# KiCad board Dashboard.kicad_pcb (continued)
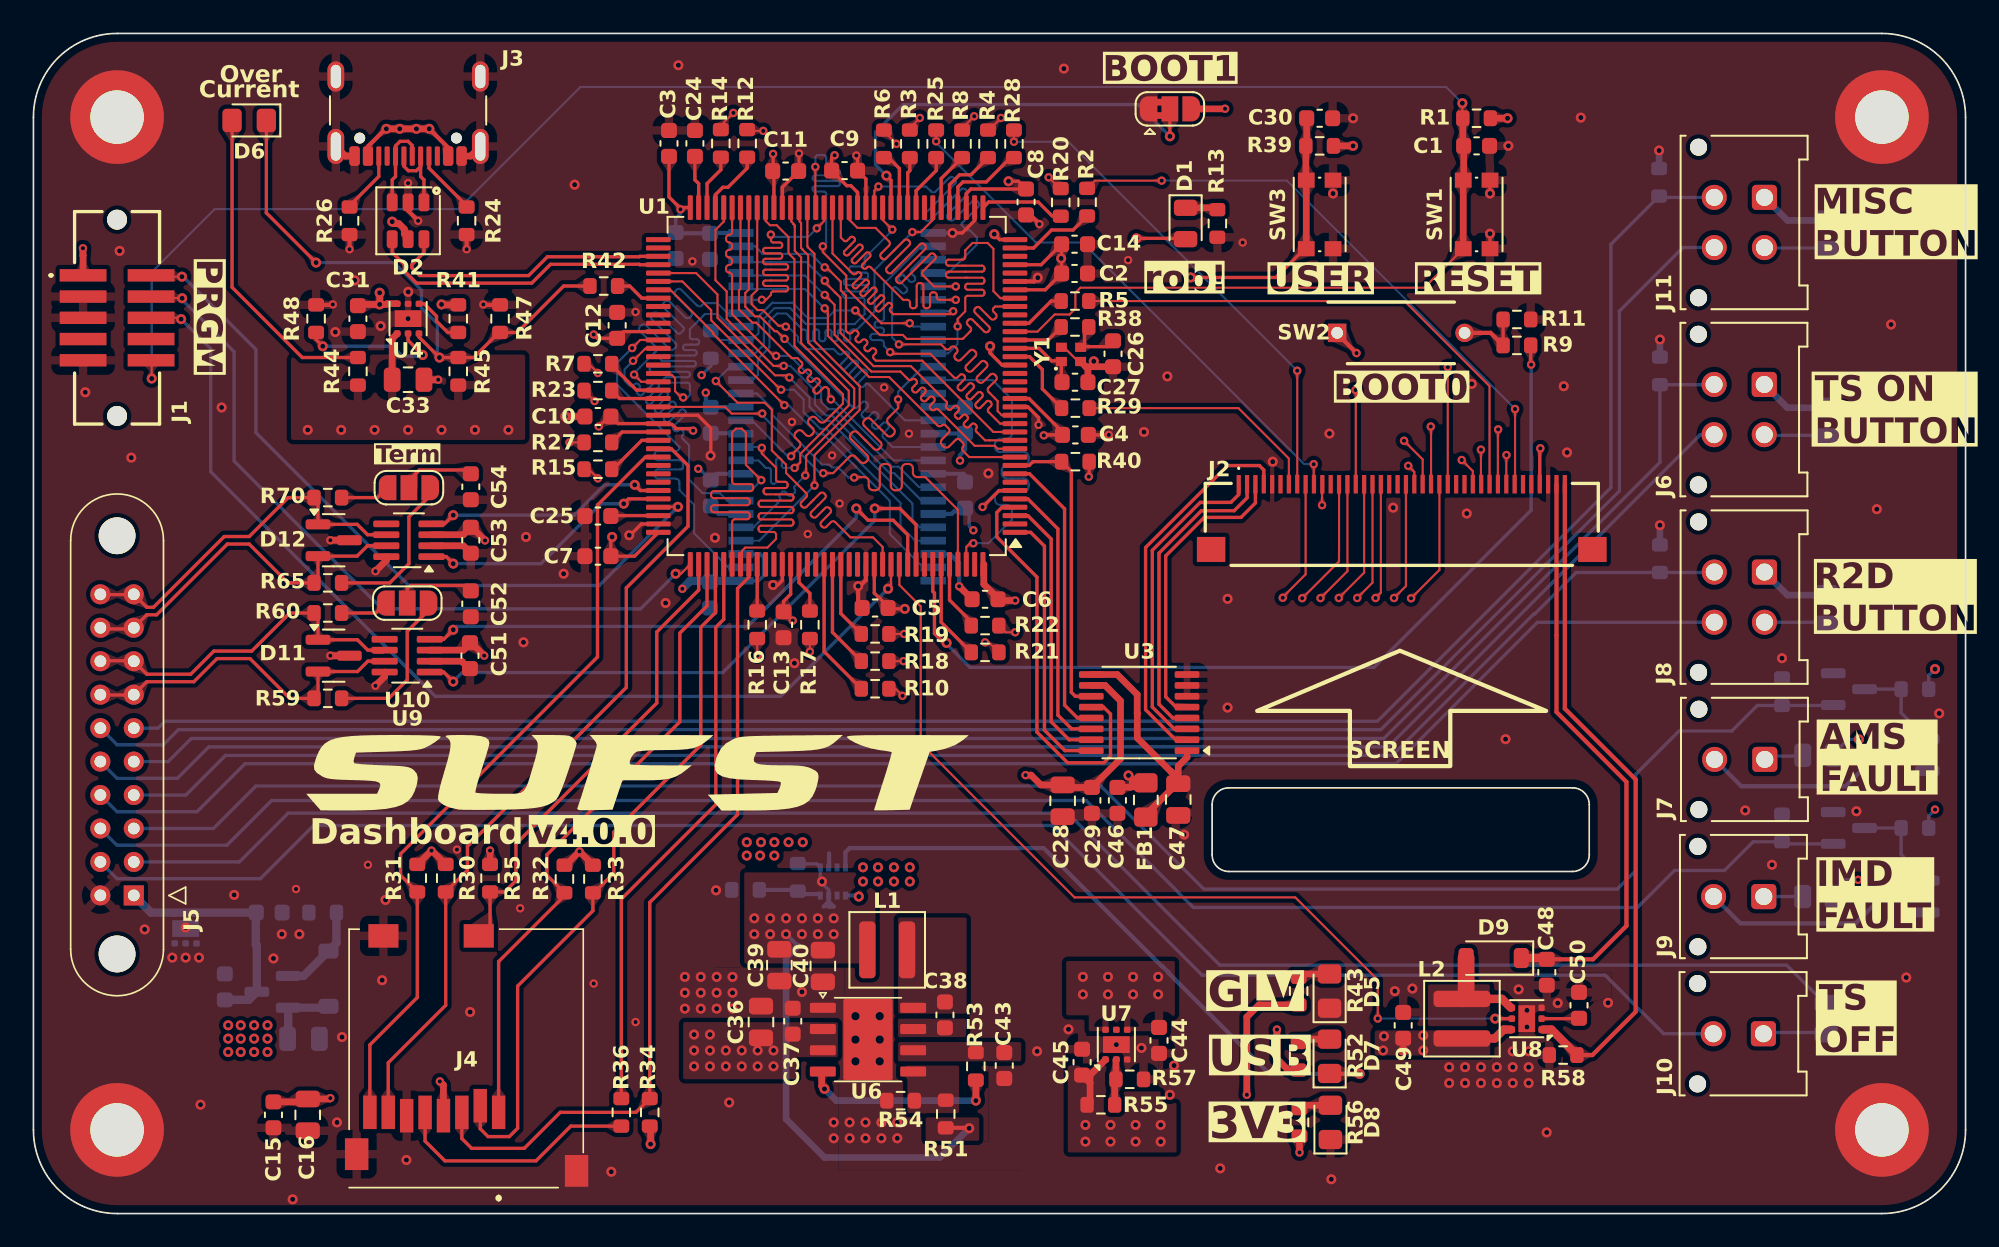
[diagram p0: board, top side]
## Routing (per net, layer and track width the routed paths; a pad name or vN(x,y) marks a point on that pad's centre or on a via; arc(x,y) is an arc through that point) (continued)
/MCU/RAM_A2: length 24.5
  Top w0.125: U1.12 56.9,46.22 56.37,46.75 arc(56.33,46.84) 56.37,46.94 arc(56.41,47.03) 56.37,47.12 56.29,47.2 arc(56.2,47.24) 56.11,47.2 55.92,47.02 arc(55.83,46.98) 55.74,47.02 55.66,47.09 arc(55.62,47.19) 55.66,47.28 55.84,47.47 arc(55.88,47.56) 55.84,47.65 55.77,47.73 arc(55.67,47.77) 55.58,47.73 55.39,47.55 arc(55.3,47.51) 55.21,47.55 55.13,47.62 arc(55.09,47.72) 55.13,47.81 55.31,48 arc(55.35,48.09) 55.31,48.18 55.24,48.26 arc(55.14,48.3) 55.05,48.26 54.86,48.08 arc(54.77,48.04) 54.68,48.08 54.59,48.17 arc(54.55,48.26) 54.59,48.35 arc(54.63,48.45) 54.59,48.54 52.46,50.66 50.24,50.66 48.25,52.65 48.25,54.75 47.95,55.05 47.95,55.05 47.31,55.69 v2(47.31,55.77)
  Bottom w0.125: U2.25 42.45,56.87 46.22,56.87 47.31,55.79 v2(47.31,55.77)
/MCU/RAM_A3: length 24.5
  Top w0.125: U1.13 57.4,46.72 53.14,50.99 50.37,50.99 50.25,51.11 arc(50.2,51.22) 50.25,51.32 50.35,51.43 arc(50.4,51.54) 50.35,51.64 50.3,51.69 arc(50.19,51.74) 50.09,51.69 49.98,51.59 arc(49.88,51.54) 49.77,51.59 49.72,51.64 arc(49.67,51.75) 49.72,51.85 49.82,51.96 arc(49.87,52.07) 49.82,52.17 49.77,52.23 arc(49.66,52.27) 49.56,52.23 49.45,52.12 arc(49.35,52.07) 49.24,52.12 49.19,52.17 arc(49.14,52.28) 49.19,52.38 49.29,52.49 arc(49.34,52.6) 49.29,52.7 49.24,52.76 arc(49.13,52.8) 49.03,52.76 48.92,52.65 arc(48.82,52.61) 48.71,52.65 48.58,52.78 48.58,54.89 48.27,55.19 48.27,55.71 47.41,56.57 v2(47.31,56.57)
  Bottom w0.125: U2.26 43.15,57.82 43.6,57.37 46.47,57.37 47.28,56.57 v2(47.31,56.57)
/MCU/RAM_A4: length 24.5
  Top w0.125: U1.14 57.8,47.22 57.11,47.92 arc(57.06,48.03) 57.11,48.13 57.25,48.28 arc(57.3,48.39) 57.25,48.49 57.2,48.55 arc(57.1,48.59) 56.99,48.55 56.62,48.18 arc(56.52,48.13) 56.41,48.18 56.36,48.23 arc(56.31,48.34) 56.36,48.44 56.72,48.81 arc(56.77,48.92) 56.72,49.02 56.67,49.08 arc(56.56,49.12) 56.46,49.08 56.09,48.71 arc(55.99,48.66) 55.88,48.71 55.83,48.76 arc(55.78,48.87) 55.83,48.97 56.19,49.34 arc(56.24,49.45) 56.19,49.55 56.14,49.61 arc(56.03,49.65) 55.93,49.61 55.56,49.24 arc(55.45,49.19) 55.35,49.24 55.3,49.29 arc(55.25,49.4) 55.3,49.5 55.66,49.87 arc(55.71,49.98) 55.66,50.08 55.61,50.14 arc(55.5,50.18) 55.4,50.14 55.25,49.99 arc(55.14,49.94) 55.04,49.99 53.63,51.4 51.32,51.4 v2(51.22,51.5)
  Bottom w0.125: U2.29 53.09,57.82 50.85,55.59 50.85,53.49 arc(50.81,53.38) 50.7,53.34 50.44,53.34 arc(50.34,53.3) 50.29,53.19 50.29,53.11 arc(50.34,53.01) 50.44,52.96 50.7,52.96 arc(50.81,52.92) 50.85,52.81 50.85,52.74 arc(50.81,52.63) 50.7,52.59 50.19,52.59 arc(50.09,52.55) 50.04,52.44 50.04,52.36 arc(50.09,52.26) 50.19,52.21 50.7,52.21 arc(50.81,52.17) 50.85,52.06 50.85,51.87 v2(51.22,51.5)
/MCU/RAM_A5: length 24.8
  Top w0.125: v2(51.75,51.96) 54.26,51.96 54.52,51.71 arc(54.65,51.65) 54.78,51.71 54.87,51.79 arc(55,51.85) 55.13,51.79 55.2,51.72 arc(55.26,51.59) 55.2,51.46 55.12,51.37 arc(55.06,51.24) 55.12,51.11 55.18,51.04 arc(55.32,50.99) 55.45,51.04 55.99,51.58 arc(56.12,51.64) 56.26,51.58 56.32,51.52 arc(56.38,51.39) 56.32,51.25 55.78,50.71 arc(55.73,50.58) 55.78,50.44 55.85,50.38 arc(55.98,50.32) 56.11,50.38 56.66,50.92 arc(56.79,50.98) 56.92,50.92 56.99,50.85 arc(57.04,50.72) 56.99,50.59 56.45,50.04 arc(56.39,49.91) 56.45,49.78 56.51,49.71 arc(56.65,49.66) 56.78,49.71 57.22,50.15 arc(57.35,50.2) 57.48,50.15 57.55,50.08 arc(57.6,49.95) 57.55,49.82 57.11,49.38 arc(57.06,49.25) 57.11,49.11 57.65,48.57 57.65,47.97 57.9,47.72 U1.15 58.5,47.72 58.41,47.81
  Bottom w0.125: U2.30 53.09,57.02 52.5,56.43 arc(52.45,56.32) 52.5,56.2 52.68,56.02 arc(52.73,55.9) 52.68,55.79 52.62,55.73 arc(52.51,55.68) 52.39,55.73 52.02,56.1 arc(51.95,56.13) 51.88,56.1 51.73,55.95 arc(51.7,55.88) 51.73,55.81 52.2,55.35 arc(52.24,55.23) 52.2,55.11 52.14,55.06 arc(52.02,55.01) 51.91,55.06 51.63,55.33 arc(51.51,55.38) 51.4,55.33 51.35,55.28 51.35,52.36 v2(51.75,51.96)
/MCU/RAM_A6: length 24.5
  Top w0.125: v2(50.52,61.4) 50.28,61.15 U1.50
  Bottom w0.125: U2.31 54.7,56.22 56.4,57.92 56.4,58.37 55.99,58.79 arc(55.94,58.81) 55.9,58.79 arc(55.85,58.77) 55.81,58.79 55.5,59.1 arc(55.48,59.14) 55.5,59.19 56.49,60.18 arc(56.55,60.32) 56.49,60.46 56.42,60.53 arc(56.28,60.58) 56.14,60.53 55.03,59.41 arc(54.89,59.35) 54.75,59.41 54.68,59.48 arc(54.62,59.62) 54.68,59.76 55.8,60.87 arc(55.85,61.01) 55.8,61.15 55.73,61.22 arc(55.59,61.28) 55.45,61.22 53.63,59.4 arc(53.49,59.34) 53.35,59.4 53.28,59.46 arc(53.22,59.6) 53.28,59.74 55.1,61.57 arc(55.16,61.71) 55.1,61.84 55.03,61.91 arc(54.9,61.97) 54.76,61.91 53.95,61.1 arc(53.81,61.05) 53.67,61.1 53.38,61.4 v2(50.52,61.4)
/MCU/RAM_A7: length 23.8
  Top w0.125: U1.53 48.78,59.42 49.27,58.92 50.35,58.92 51.16,58.11 arc(51.21,57.99) 51.16,57.87 50.68,57.39 arc(50.63,57.27) 50.68,57.15 50.74,57.09 arc(50.86,57.05) 50.98,57.09 52.07,58.19 arc(52.19,58.24) 52.31,58.19 52.37,58.13 arc(52.42,58.01) 52.37,57.9 51.03,56.55 arc(50.98,56.43) 51.03,56.31 51.08,56.25 arc(51.2,56.2) 51.32,56.25 53.02,57.95 arc(53.14,58) 53.26,57.95 53.32,57.89 arc(53.37,57.77) 53.32,57.66 51.62,55.96 arc(51.57,55.84) 51.62,55.72 51.68,55.66 arc(51.8,55.61) 51.92,55.66 53.62,57.36 arc(53.73,57.41) 53.85,57.36 53.91,57.3 arc(53.96,57.18) 53.91,57.06 53.18,56.33 arc(53.13,56.21) 53.18,56.09 53.85,55.42 55.15,55.42
  Top w0.2: 55.15,55.42 v2(55.15,55.42)
  Bottom w0.125: U2.32 55.15,55.42
  Bottom w0.2: 55.15,55.42 v2(55.15,55.42)
/MCU/RAM_A8: length 21.2
  Top w0.125: v2(55.15,54.62) 54.17,54.62 arc(54.06,54.67) 54.01,54.78 54.01,54.91 arc(53.96,55.03) 53.85,55.07 53.77,55.07 arc(53.66,55.03) 53.61,54.91 53.61,54.28 arc(53.56,54.17) 53.45,54.12 53.37,54.12 arc(53.26,54.17) 53.21,54.28 53.21,55.46 arc(53.16,55.58) 53.05,55.62 52.97,55.62 arc(52.86,55.58) 52.81,55.46 52.81,54.28 arc(52.76,54.17) 52.65,54.12 52.57,54.12 arc(52.46,54.17) 52.41,54.28 52.41,54.46 arc(52.36,54.58) 52.25,54.62 52,54.62 50.05,56.58 arc(49.96,56.61) 49.86,56.58 49.8,56.51 arc(49.71,56.48) 49.62,56.51 49.57,56.56 arc(49.53,56.65) 49.57,56.75 50.02,57.2 arc(50.06,57.29) 50.02,57.38 49.97,57.43 arc(49.88,57.47) 49.78,57.43 49.19,56.84 arc(49.1,56.8) 49.01,56.84 48.96,56.89 arc(48.92,56.98) 48.96,57.07 49.55,57.66 arc(49.59,57.76) 49.55,57.85 49.5,57.9 arc(49.41,57.94) 49.32,57.9 48.73,57.31 arc(48.63,57.27) 48.54,57.31 48.49,57.35 arc(48.45,57.45) 48.49,57.54 49.08,58.13 arc(49.12,58.22) 49.08,58.32 49.04,58.36 arc(48.94,58.4) 48.85,58.36 48.65,58.16 arc(48.56,58.12) 48.46,58.16 48.28,58.35 U1.54
  Bottom w0.125: v2(55.15,54.62) 53.8,54.62
  Bottom w0.2: 53.8,54.62 U2.33
/MCU/RAM_A9: length 19.6
  Top w0.125: v2(54.99,53.94) 54.82,53.77 51.41,53.77 51.24,53.94 arc(51.2,54.03) 51.24,54.12 51.3,54.18 arc(51.34,54.27) 51.3,54.37 51.26,54.41 arc(51.17,54.45) 51.07,54.41 50.62,53.96 arc(50.53,53.92) 50.44,53.96 50.39,54.01 arc(50.35,54.1) 50.39,54.19 50.84,54.64 arc(50.88,54.73) 50.84,54.83 50.8,54.87 arc(50.71,54.91) 50.61,54.87 50.16,54.42 arc(50.07,54.38) 49.98,54.42 49.93,54.47 arc(49.89,54.56) 49.93,54.65 50.38,55.1 arc(50.42,55.19) 50.38,55.29 50.34,55.33 arc(50.25,55.37) 50.15,55.33 49.7,54.88 arc(49.61,54.84) 49.52,54.88 49.47,54.93 arc(49.43,55.02) 49.47,55.11 49.92,55.56 arc(49.96,55.65) 49.92,55.75 49.88,55.79 arc(49.79,55.83) 49.69,55.79 49.24,55.34 arc(49.15,55.3) 49.06,55.34 49.01,55.38 arc(48.97,55.48) 49.01,55.57 49.46,56.02 arc(49.5,56.11) 49.46,56.21 49.42,56.25 arc(49.33,56.29) 49.23,56.25 49.17,56.19 arc(49.08,56.15) 48.99,56.19 47.78,57.4 U1.55
  Bottom w0.125: U2.34 53.92,53.94 v2(54.99,53.94)
/MCU/RAM_A10: length 21.4
  Top w0.125: v2(44.09,58.52) 44.1,58.51 44.1,58.18 arc(44.14,58.09) 44.23,58.05 44.64,58.05 arc(44.73,58.02) 44.77,57.92 44.77,57.86 arc(44.73,57.77) 44.64,57.73 43.76,57.73 arc(43.67,57.69) 43.63,57.6 43.63,57.53 arc(43.67,57.44) 43.76,57.4 44.64,57.4 arc(44.73,57.37) 44.77,57.27 44.77,57.21 arc(44.73,57.12) 44.64,57.08 43.76,57.08 arc(43.67,57.04) 43.63,56.95 43.63,56.88 arc(43.67,56.79) 43.76,56.75 44.99,56.75 arc(45.08,56.72) 45.12,56.62 45.12,56.56 arc(45.08,56.47) 44.99,56.43 43.76,56.43 arc(43.67,56.39) 43.63,56.3 43.63,56.23 arc(43.67,56.14) 43.76,56.1 44.99,56.1 arc(45.08,56.07) 45.12,55.97 45.12,55.91 arc(45.08,55.82) 44.99,55.78 43.76,55.78 arc(43.67,55.74) 43.63,55.65 43.63,55.58 arc(43.67,55.49) 43.76,55.45 44.99,55.45 arc(45.08,55.42) 45.12,55.32 45.12,55.26 arc(45.08,55.17) 44.99,55.13 44.23,55.13 arc(44.14,55.09) 44.1,55 44.1,54.92 43.8,54.62 v2(43.55,54.62) ; U1.56 47.28,59.34 v2(46.84,58.9)
  Bottom w0.125: v2(43.55,54.62) U2.22 42.35,54.67 ; v2(46.84,58.9) 46.32,58.39 44.23,58.39 v2(44.09,58.52)
/MCU/RAM_A11: length 24.5
  Top w0.125: v2(46.75,62.57) 46.75,60.16 U1.57 46.74,60.1 ; v2(47.2,57.82) 47.2,57.47 48.6,56.07 48.6,55.32 50.7,53.23 v2(52.39,53.23)
  Bottom w0.125: v2(52.39,53.23) 52.59,53.02 U2.35 ; v2(46.75,62.57) 46.75,63.17 46.85,63.27 47.3,63.27 47.4,63.17 47.4,62.52 arc(47.44,62.43) 47.53,62.39 48.09,62.39 arc(48.18,62.36) 48.22,62.26 48.22,62.2 arc(48.18,62.11) 48.09,62.07 46.72,62.07 arc(46.62,62.03) 46.59,61.94 46.59,61.87 arc(46.62,61.78) 46.72,61.74 48.09,61.74 arc(48.18,61.71) 48.22,61.61 48.22,61.55 arc(48.18,61.46) 48.09,61.42 46.72,61.42 arc(46.62,61.38) 46.59,61.29 46.59,61.22 arc(46.62,61.13) 46.72,61.09 47.27,61.09 arc(47.36,61.06) 47.4,60.96 47.4,58.03 v2(47.2,57.82)
  Bottom w0.2: 52.39,53.18 v2(52.39,53.23)
/MCU/RAM_BA0: length 24.6
  Top w0.125: v2(38.85,48.79) 38.74,48.79 38.36,49.16 38.36,49.94 38.17,50.14 37.4,50.14 37.4,50.26 U1.89
  Bottom w0.125: U2.20 41.65,53.02 40.9,53.77 40.15,53.77 39.98,53.61 39.98,53.6 39.65,53.27 39.64,53.27 39.25,52.88 39.25,52.4 arc(39.29,52.31) 39.38,52.27 39.67,52.27 arc(39.76,52.23) 39.8,52.14 39.8,52.07 arc(39.76,51.98) 39.67,51.94 38.98,51.94 arc(38.89,51.91) 38.85,51.81 38.85,51.75 arc(38.89,51.66) 38.98,51.62 39.52,51.62 arc(39.61,51.58) 39.65,51.49 39.65,51.42 arc(39.61,51.33) 39.52,51.29 37.63,51.29 arc(37.54,51.26) 37.5,51.16 37.5,51.1 arc(37.54,51.01) 37.63,50.97 39.47,50.97 arc(39.56,50.93) 39.6,50.84 39.6,50.77 arc(39.56,50.68) 39.47,50.64 36.98,50.64 arc(36.89,50.61) 36.85,50.52 36.85,50.45 arc(36.89,50.36) 36.98,50.32 39.12,50.32 arc(39.21,50.28) 39.25,50.19 39.25,50.12 arc(39.21,50.03) 39.12,49.99 37.83,49.99 arc(37.74,49.96) 37.7,49.86 37.7,49.8 arc(37.74,49.71) 37.83,49.67 39.12,49.67 arc(39.21,49.63) 39.25,49.54 39.25,48.92 39.11,48.79 v2(38.85,48.79)
/MCU/RAM_BA1: length 24.5
  Top w0.125: U1.90 36.34,49.72 v2(35.91,50.15)
  Bottom w0.125: v2(35.91,50.15) 35.91,50.24 37.2,51.53 arc(37.26,51.67) 37.2,51.81 36.27,52.75 arc(36.21,52.89) 36.27,53.03 36.34,53.1 arc(36.48,53.16) 36.62,53.1 38.04,51.69 arc(38.18,51.63) 38.32,51.69 38.39,51.76 arc(38.45,51.9) 38.39,52.04 36.98,53.46 arc(36.92,53.6) 36.98,53.74 37.05,53.81 arc(37.19,53.87) 37.33,53.81 38.5,52.64 arc(38.6,52.6) 38.69,52.64 38.86,52.8 arc(38.9,52.89) 38.86,52.99 37.68,54.16 arc(37.62,54.31) 37.68,54.45 37.75,54.52 arc(37.89,54.58) 38.04,54.52 38.97,53.58 arc(39.11,53.52) 39.26,53.58 39.33,53.65 arc(39.38,53.79) 39.33,53.93 38.39,54.87 arc(38.33,55.01) 38.39,55.15 38.46,55.22 arc(38.6,55.28) 38.74,55.22 39.68,54.29 arc(39.82,54.23) 39.96,54.29 40.1,54.42 40.9,54.42 41.5,53.82 U2.21
/MCU/RAM_CAS: length 24.6
  Top w0.125: 50.69,38.81 U1.132 50.78,39.85 50.2,40.42 48.85,40.42 47.93,41.34 arc(47.81,41.39) 47.69,41.34 47.4,41.05 arc(47.28,41) 47.17,41.05 47.11,41.11 arc(47.06,41.23) 47.11,41.35 47.64,41.89 arc(47.69,42) 47.64,42.12 47.58,42.18 arc(47.46,42.23) 47.35,42.18 46.81,41.65 arc(46.69,41.6) 46.57,41.65 46.51,41.71 arc(46.46,41.83) 46.51,41.94 47.33,42.76 arc(47.38,42.88) 47.33,43 47.27,43.06 arc(47.15,43.11) 47.03,43.06 46.22,42.24 arc(46.1,42.19) 45.98,42.24 45.92,42.3 arc(45.87,42.42) 45.92,42.54 46.21,42.83 arc(46.26,42.95) 46.21,43.07 45,44.27 45,44.77 44.15,45.62 44.15,48.05 43.73,48.47 42.1,48.47 v2(40.8,49.77)
  Bottom w0.125: v2(40.8,49.77) 41.65,50.62 U2.17
/MCU/RAM_CKE: length 24.5
  Top w0.125: v2(55.26,53.04) 55.26,53.49 55.71,53.94 55.71,54.72 arc(55.76,54.83) 55.86,54.87 56.72,54.87 arc(56.82,54.91) 56.86,55.01 56.86,55.08 arc(56.82,55.19) 56.72,55.23 55.86,55.23 arc(55.76,55.27) 55.71,55.37 55.71,55.44 arc(55.76,55.55) 55.86,55.59 56.72,55.59 arc(56.82,55.63) 56.86,55.73 56.86,55.8 arc(56.82,55.91) 56.72,55.95 54.71,55.95 arc(54.61,55.99) 54.57,56.09 54.57,56.16 arc(54.61,56.27) 54.71,56.31 56.72,56.31 arc(56.82,56.35) 56.86,56.45 56.86,56.52 arc(56.82,56.63) 56.72,56.67 54.71,56.67 arc(54.61,56.71) 54.57,56.81 54.57,56.88 arc(54.61,56.99) 54.71,57.03 55.57,57.03 arc(55.67,57.07) 55.71,57.17 55.71,57.59 56.15,58.02 57.05,58.02 57.4,57.67 57.4,55.14 57.82,54.72 U1.29
  Top w0.2: U1.29 58.4,54.72 58.35,54.68
  Bottom w0.125: U2.37 54.7,51.42 55.25,51.97 55.25,53.02 v2(55.26,53.04)
/MCU/RAM_CLK: length 29.3
  Top w0.125: v2(47.22,44.26) 47.81,44.26 48.81,45.26 arc(48.97,45.33) 49.13,45.26 49.46,44.93 arc(49.62,44.87) 49.77,44.93 49.85,45.01 arc(49.92,45.17) 49.85,45.33 48.88,46.3 arc(48.81,46.46) 48.88,46.62 48.96,46.7 arc(49.12,46.76) 49.27,46.7 50.25,45.72 arc(50.41,45.66) 50.57,45.72 50.65,45.8 arc(50.71,45.96) 50.65,46.12 49.67,47.09 arc(49.6,47.25) 49.67,47.41 49.75,47.49 arc(49.91,47.56) 50.07,47.49 51.04,46.51 arc(51.2,46.45) 51.36,46.51 51.44,46.59 arc(51.5,46.75) 51.44,46.91 51.11,47.24 arc(51.04,47.4) 51.11,47.56 51.7,48.15 51.7,48.67 v2(51.7,48.67) ; U1.93 41.35,48.22 41.75,47.82 43.57,47.82
  Bottom w0.125: v2(43.58,47.83) 43.58,47.72 47.03,44.26 v2(47.22,44.26) ; U2.38 53.2,50.62 51.7,49.12 v2(51.7,48.67)
/MCU/RAM_CS/NE: length 26.5
  Top w0.125: U1.28 57.5,54.22 57.41,54.14 arc(57.36,54.02) 57.41,53.91 57.54,53.78 arc(57.59,53.66) 57.54,53.54 57.48,53.49 arc(57.37,53.44) 57.25,53.49 56.58,54.15 arc(56.47,54.2) 56.35,54.15 56.29,54.1 arc(56.25,53.98) 56.29,53.86 57.14,53.02 arc(57.19,52.9) 57.14,52.79 57.08,52.73 arc(56.97,52.68) 56.85,52.73 56.15,53.43 arc(56.03,53.48) 55.91,53.43 55.86,53.37 arc(55.81,53.26) 55.86,53.14 56.02,52.98 arc(56.07,52.86) 56.02,52.75 55.56,52.29 52.22,52.29 51.98,52.53 51.06,52.53 51.07,52.52 50.61,52.52 v2(49.14,53.99)
  Bottom w0.125: R37.1 41.05,52.22 U2.19 42.95,52.22 43.35,52.62 43.35,53.63 44.17,54.45 45.39,54.45 46.31,53.52 47.45,53.52 47.92,53.99 v2(49.14,53.99)
/MCU/RAM_D0: length 24.5
  Top w0.125: v2(35.79,51.74) 36.28,52.22 U1.85
  Bottom w0.125: U2.2 41.55,38.62 39.5,40.67 39.5,42.37 38.62,43.25 38.62,43.71 arc(38.56,43.87) 38.4,43.93 37.36,43.93 arc(37.21,44) 37.14,44.15 37.14,44.26 arc(37.21,44.42) 37.36,44.48 38.72,44.48 arc(38.79,44.51) 38.82,44.58 38.82,44.93 arc(38.79,45.01) 38.72,45.03 37.35,45.03 arc(37.19,45.1) 37.13,45.25 37.13,45.36 arc(37.19,45.52) 37.35,45.58 38.4,45.58 arc(38.56,45.65) 38.62,45.8 38.62,45.83 34.9,49.55 34.9,50.85 v2(35.79,51.74)
/MCU/RAM_D1: length 24.5
  Top w0.125: U1.86 36.6,51.72 v2(35.85,50.97)
  Bottom w0.125: U2.7 41.49,42.62 41.05,43.06 40.02,43.06 39.2,43.88 39.2,45.94 38.81,46.32 arc(38.77,46.43) 38.81,46.54 38.84,46.56 arc(38.88,46.67) 38.84,46.78 38.79,46.83 arc(38.68,46.88) 38.57,46.83 38.54,46.81 arc(38.44,46.76) 38.33,46.81 38.28,46.86 arc(38.23,46.97) 38.28,47.07 38.97,47.77 arc(39.02,47.88) 38.97,47.99 38.92,48.04 arc(38.81,48.09) 38.7,48.04 38.01,47.34 arc(37.9,47.3) 37.79,47.34 37.74,47.4 arc(37.69,47.5) 37.74,47.61 38.37,48.24 arc(38.41,48.35) 38.37,48.45 38.31,48.51 arc(38.2,48.55) 38.1,48.51 37.47,47.88 arc(37.36,47.84) 37.26,47.88 37.2,47.93 arc(37.16,48.04) 37.2,48.15 37.9,48.85 arc(37.94,48.95) 37.9,49.06 37.85,49.12 arc(37.74,49.16) 37.63,49.12 36.93,48.42 arc(36.83,48.37) 36.72,48.42 36.66,48.47 arc(36.62,48.58) 36.66,48.69 37.36,49.38 arc(37.41,49.49) 37.36,49.6 37.31,49.65 arc(37.2,49.7) 37.09,49.65 36.4,48.96 arc(36.29,48.91) 36.18,48.96 36.13,49.01 arc(36.08,49.12) 36.13,49.22 36.22,49.32 arc(36.27,49.43) 36.22,49.54 36.17,49.59 arc(36.06,49.63) 35.95,49.59 35.86,49.49 arc(35.75,49.45) 35.64,49.49 35.35,49.79 35.35,50.47 v2(35.85,50.97)
/MCU/RAM_D2: length 24.5
  Top w0.125: U1.114 41.78,41.34 arc(41.82,41.46) 41.94,41.51 42.67,41.51 arc(42.79,41.56) 42.84,41.68 42.84,41.76 arc(42.79,41.88) 42.67,41.93 40.68,41.93 arc(40.56,41.98) 40.51,42.1 40.51,42.18 arc(40.56,42.3) 40.68,42.35 42.67,42.35 arc(42.79,42.4) 42.84,42.52 42.84,42.6 arc(42.79,42.72) 42.67,42.77 40.68,42.77 arc(40.56,42.82) 40.51,42.94 40.51,43.02 arc(40.56,43.14) 40.68,43.19 42.87,43.19 arc(42.99,43.24) 43.04,43.36 43.04,43.44 arc(42.99,43.56) 42.87,43.61 41.94,43.61 arc(41.82,43.66) 41.78,43.78 41.78,46.7 42,46.92 42.35,46.92 42.6,46.67 42.6,44.76 v2(43.52,43.84)
  Bottom w0.125: v2(43.52,43.84) 43.1,43.42 U2.8
/MCU/RAM_D3: length 24.5
  Top w0.125: U1.115 42.36,38.81 42.36,39.62 42.56,39.81 43.89,39.81 44.4,40.32 44.4,40.6 arc(44.36,40.7) 44.25,40.75 43.51,40.75 arc(43.4,40.79) 43.36,40.9 43.36,40.97 arc(43.4,41.08) 43.51,41.12 45.29,41.12 arc(45.4,41.17) 45.44,41.27 45.44,41.35 arc(45.4,41.45) 45.29,41.5 43.51,41.5 arc(43.4,41.54) 43.36,41.65 43.36,41.72 arc(43.4,41.83) 43.51,41.87 45.29,41.87 arc(45.4,41.92) 45.44,42.02 45.44,42.1 arc(45.4,42.2) 45.29,42.25 43.51,42.25 arc(43.4,42.29) 43.36,42.4 43.36,42.47 arc(43.4,42.58) 43.51,42.62 45.29,42.62 arc(45.4,42.67) 45.44,42.77 45.44,42.85 arc(45.4,42.95) 45.29,43 43.81,43 arc(43.7,43.04) 43.66,43.15 43.66,43.22 arc(43.7,43.33) 43.81,43.37 44.94,43.37 arc(45.05,43.42) 45.09,43.52 45.09,43.6 arc(45.05,43.7) 44.94,43.75 44.55,43.75 arc(44.44,43.79) 44.4,43.9 44.4,44.59 43.55,45.44 v2(43.55,45.77)
  Bottom w0.125: U2.11 43.5,45.82 v2(43.55,45.77)
/MCU/RAM_D4: length 24.8
  Top w0.125: v2(46.7,43.52) 46.7,45.34 49.4,48.04 49.4,49.46 46.7,52.16 46.7,57.37 46.31,57.76 46.31,57.78 46.27,57.82 46.27,58.67 46.28,58.67 U1.58
  Bottom w0.125: v2(46.7,43.52) 43.4,40.22 U2.4
/MCU/RAM_D5: length 24.5
  Top w0.125: U1.59 45.81,60.1 45.81,59.31 45.9,59.22 45.9,58.82 45.9,58.82 45.9,57.73 45.99,57.64 45.99,57.63 46.32,57.29 46.32,52.08 49.08,49.33 49.08,48.18 46.2,45.3 46.2,44.17 v2(46.15,44.12)
  Bottom w0.125: v2(46.15,44.12) 45.52,43.49 arc(45.48,43.39) 45.52,43.3 arc(45.56,43.2) 45.52,43.1 45.35,42.94 arc(45.26,42.9) 45.16,42.94 44.97,43.14 arc(44.87,43.18) 44.77,43.14 44.63,42.99 arc(44.59,42.89) 44.63,42.8 arc(44.67,42.7) 44.63,42.6 43.05,41.02 U2.5
/MCU/RAM_D6: length 24.5
  Top w0.125: U1.60 45.31,60.1 45.31,59.31 45.44,59.19 45.44,59.16 45.52,59.07 45.52,58.98 45.52,58.98 45.52,57.55 45.9,57.17 45.9,52.04 48.75,49.19 48.75,48.31 45.85,45.41 45.85,44.91 v2(45.51,44.57)
  Bottom w0.125: U2.10 43.35,45.02 43.8,44.57 43.96,44.57 arc(44.05,44.54) 44.09,44.44 44.09,43.76 arc(44.13,43.67) 44.22,43.63 44.29,43.63 arc(44.38,43.67) 44.42,43.76 44.42,45.04 arc(44.45,45.13) 44.55,45.17 44.61,45.17 arc(44.7,45.13) 44.74,45.04 44.74,44.7 arc(44.78,44.61) 44.87,44.57 v2(45.51,44.57)
/MCU/RAM_D7: length 24.5
  Top w0.125: 43.81,59.51 43.78,59.55 ; v2(45.3,45.27) 45.3,45.32 45.79,45.82 arc(45.86,45.98) 45.79,46.14 45.57,46.36 arc(45.5,46.52) 45.57,46.69 45.65,46.77 arc(45.81,46.83) 45.97,46.77 46.2,46.54 arc(46.36,46.48) 46.52,46.54 46.6,46.62 arc(46.67,46.79) 46.6,46.95 46.38,47.17 arc(46.31,47.33) 46.38,47.49 46.46,47.57 arc(46.62,47.64) 46.78,47.57 47,47.35 arc(47.16,47.28) 47.32,47.35 48.4,48.42 48.4,48.97 45.5,51.88 45.5,57.05 45.23,57.31 45.23,57.33 45.15,57.42 45.15,58.38 44.44,59.09 44.04,59.09 43.78,59.35 U1.63
  Bottom w0.125: v2(45.3,45.27) 45.1,45.27 42.95,47.42 U2.13
/MCU/RAM_D8: length 24.5
  Top w0.125: v2(44.99,53.02) 44.93,53.07 44.55,53.07 43.61,54.01 43.3,54.01 42.94,54.37 42.94,54.88 43.28,55.22 U1.64
  Bottom w0.125: U2.42 52.1,47.42 49.96,49.56 arc(49.85,49.61) 49.75,49.56 49.63,49.45 arc(49.53,49.41) 49.42,49.45 49.37,49.5 arc(49.32,49.61) 49.37,49.72 49.81,50.16 arc(49.85,50.27) 49.81,50.37 49.75,50.43 arc(49.65,50.47) 49.54,50.43 49.1,49.99 arc(48.99,49.94) 48.88,49.99 48.83,50.04 arc(48.78,50.15) 48.83,50.26 49.27,50.7 arc(49.31,50.8) 49.27,50.91 49.22,50.97 arc(49.11,51.01) 49,50.97 48.56,50.52 arc(48.45,50.48) 48.34,50.52 48.29,50.58 arc(48.25,50.69) 48.29,50.79 48.73,51.23 arc(48.78,51.34) 48.73,51.45 48.68,51.5 arc(48.57,51.55) 48.46,51.5 48.35,51.39 arc(48.24,51.35) 48.14,51.39 47.85,51.67 46.19,51.67 45.72,52.15 45.72,52.41 45.11,53.02 v2(44.99,53.02)
/MCU/RAM_D9: length 24.5
  Top w0.125: U1.65 42.78,55.25 42.56,55.03 42.56,54.22 43.14,53.64 43.44,53.64 44.33,52.75 44.45,52.75 v2(44.91,52.29)
  Bottom w0.125: v2(44.91,52.29) 49,48.2 arc(49.13,48.15) 49.25,48.2 49.55,48.49 arc(49.67,48.55) 49.8,48.49 49.86,48.43 arc(49.91,48.31) 49.86,48.18 49.56,47.89 arc(49.51,47.76) 49.56,47.64 49.62,47.58 arc(49.75,47.52) 49.87,47.58 50.17,47.87 arc(50.3,47.92) 50.42,47.87 50.48,47.81 arc(50.53,47.69) 50.48,47.56 50.18,47.26 arc(50.13,47.14) 50.18,47.02 50.25,46.95 arc(50.37,46.9) 50.5,46.95 50.79,47.25 arc(50.92,47.3) 51.04,47.25 51.1,47.19 arc(51.16,47.06) 51.1,46.94 50.81,46.64 arc(50.76,46.52) 50.81,46.39 51.37,45.82 U2.44